# Altium PCB MAX.PcbDoc
Units mil, origin at the board's own origin, x right, y up, seen from the top; angles counter-clockwise.
Board outline 3917.32 x 1003.94 mil, 2 copper layers (Top Layer, Bottom Layer); 9 components, 0 nets, 32 pads, 5 vias.
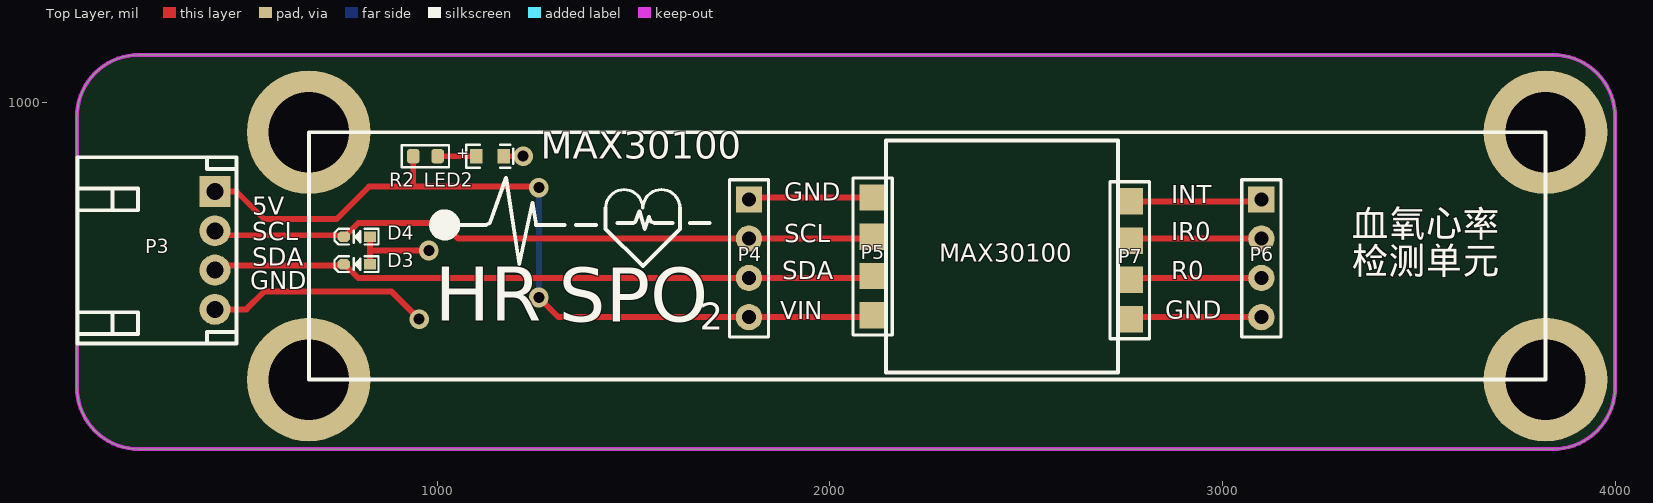
[diagram p0: Top Layer view]
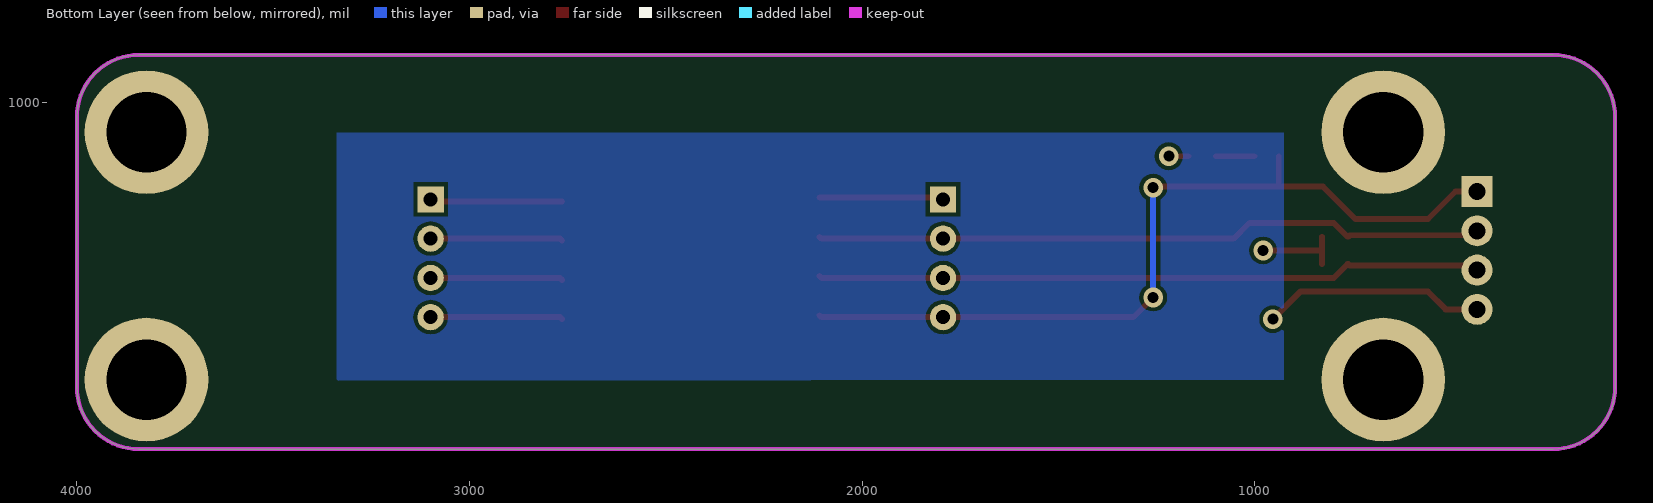
[diagram p1: Bottom Layer view, seen from below]

## Layer stack, top to bottom
Top Solder: solder mask 0.4, Solder Resist, Dk 3.5
Top Layer: signal copper 1.4
Dielectric 1: dielectric 12.6, FR-4, Dk 4.8
Bottom Layer: signal copper 1.4
Bottom Solder: solder mask 0.4, Solder Resist, Dk 3.5

## Board outline
240,117.52 cw(c240,275) 82.52,275 82.52,963.98 cw(c240,963.98) 240,1121.46 3842.36,1121.46 cw(c3842.36,963.98) 3999.84,963.98 3999.84,275 cw(c3842.36,275) 3842.36,117.52 2818.74,117.52

## Design rules (kind name [scope] priority, off if disabled: settings)
Clearance [All] p1: gap=10 ignorepadtopadclearanceinfootprint=FALSE except(0: Arc-Hole Track-Hole SMDPad-Hole THPad-Hole Via-Hole Fill-Hole Poly-Hole Region-Hole Text-Hole)
PolygonConnect [All] p1: connectstyle=Relief reliefconductorwidth=10 reliefentries=4 polygonreliefangle="90 Angle" airgapwidth=10
RoutingVias [All] p1: holewidth=28 width=50 viastyle="Through Hole" minholewidth=28 minwidth=50 maxholewidth=28 maxwidth=50
SolderMaskExpansion [All] p1: expansion=4 istentingtop=FALSE
Width [All] p1: maxlimit=10 minlimit=10 preferedwidth=10
30 further rules are at their usual default settings.

## Components (designator, comment, footprint, x,y, rotation, side; value= is the part's Value field where it differs from the comment)
D3 "TVS" SOD-523 795.54,588.53 r180 top
D4 "TVS" SOD-523 795.54,658.53 r180 top
LED2 "LED3" 0603-led 1099,863.53 r0 top
P3 "IIC1" KF2EDGK-2.54-WI-4P 434,623.53 r270 top
P4 "Header 4" HDR2.54-LI-4P#1 1794,603.53 r270 top
P5 "Header 4" HDR2.54-LI-4P#2 2109,608.53 r90 top
P6 "Header 4" HDR2.54-LI-4P#1 3099,603.53 r270 top
P7 "Header 4" HDR2.54-LI-4P#2 2764,598.53 r90 top
R2 "10K" 0603 1005.06,863.53 r180 top

## Footprints (in the part's own frame and the unit in brackets; to place one, negate y for a bottom-side part, rotate by r counter-clockwise, add the part's x,y. Pads: shape width x height; smd on the part's side, far side on the other; paste and mask are expansions set on the pad)
0603 [mil]
  rrect50% 32x37 smd: 1(3.94,0) 2(66.06,0)
  silkscreen extent -25,-28 95,28, body extent 4,-16 67,16, height 18
0603-led [mil]
  rect 32x37 smd: 1(0,0) 2(70,0)
  silkscreen extent -25,-29 95,29, body extent 2,-18 68,18, height 35
HDR2.54-LI-4P#1 [mm] "排针，4脚"
  rect 1.7x1.7 hole 0.9: 1(-3.81,0)
  round 1.7 hole 0.9: 2(-1.27,0) 3(1.27,0) 4(3.81,0)
  silkscreen extent -5.08,-1.27 5.08,1.27, body extent -5.08,-1.27 5.08,1.27, height 8.5
HDR2.54-LI-4P#2 [mm] "排针，4脚"
  rect 1.7x1.7 smd: 1(-3.81,0) 2(-1.27,0) 3(1.27,0) 4(3.81,0)
  silkscreen extent -5.08,-1.27 5.08,1.27
KF2EDGK-2.54-WI-4P [mm] "长：12.06mm，宽：10.1mm，高：8.1mm"
  rect 2x2 hole 1.1: 1(-3.81,0)
  round 2 hole 1.1: 2(-1.27,0) 3(1.27,0) 4(3.81,0)
  silkscreen extent -6.03,-8.9 6.03,1.39, body extent -6.03,-8.9 6.03,1.2, height 8.15
SOD-523 [mm] "1.2x0.8X0.6mm（长宽高，不包括引脚）"
  rect 0.8x0.7 smd: 1(-0.85,0)
  oct 0.8x0.7 smd: 2(0.85,0)
  silkscreen extent -1.4,-0.51 1.45,0.51, body extent -0.8,-0.4 0.8,0.4, height 0.65

## Part data
D3 D4: library part D, "High Conductance Fast Diode", Code_JEDEC=DO-204-AH, ComponentLink1Description="Manufacturer Link", ComponentLink1URL=http://www.fairchildsemi.com/, ComponentLink2Description=Datasheet, ComponentLink2URL=http://www.fairchildsemi.com/ds/1N%2F1N4148.pdf, DatasheetVersion=1997, LatestRevisionDate=17-Jul-2002, LatestRevisionNote="Re-released for DXP Platform.", PackageDescription="Diode, Axial; Body 3.8 x 1.9 mm (LxDia. max), Lead Dia. 0.53 mm (max)", PackageReference=DO-35, Published=8-Jun-2000, Publisher="Altium Limited"
LED2: library part CP_DIOLED, "DIODE LED"
P3: library part "Header 4", "Header, 4-Pin", LatestRevisionDate=17-Jul-2002, LatestRevisionNote="Re-released for DXP Platform.", Publisher="Altium Limited"
P4 P5 P6 P7: "Header, 4-Pin", LatestRevisionDate=17-Jul-2002, LatestRevisionNote="Re-released for DXP Platform.", Publisher="Altium Limited"
R2: library part RES2

## Free pads (board coordinates)
  round 314.96 hole 204.72: 0(673.07,294.69) 0(673.07,924.61) 0(3822.68,294.69) 0(3822.68,924.61)

## Via types
v1: diameter 50, hole 28, Top Layer to Bottom Layer, tented both sides, 5 vias

## Nets (pads, with @x,y where several pads share a name; then routed paths per layer and width w, separated by ;. In a path a pad name is that pad's centre, name@x,y a point inside that pad or via, vN(x,y) a via of type N, cw(c..) or ccw(c..) an arc to the next point about the centre after c; other vN are vias at no path point)
pads on no net: D3.1 D3.2 D4.1 D4.2 LED2.1 LED2.2 P3.1 P3.2 P3.3 P3.4 P4.1 P4.2 P4.3 P4.4 P5.1 P5.2 P5.3 P5.4 P6.1 P6.2 P6.3 P6.4 P7.1 P7.2 P7.3 P7.4 R2.1 R2.2
copper on no net: | length 8133.5
  Top Layer w15: 434,473.53 514,473.53 559,518.53 884,518.53 v1(954,448.53) ; 434,573.53 445.22,584.74 758.29,584.74 762.07,588.53 764.04,588.53 799.04,553.53 1794,553.53 2104,553.53 2109,558.53 ; 434,673.53 445.22,662.31 758.29,662.31 762.07,658.53 764.04,658.53 799.04,693.53 1014,693.53 1054,653.53 1794,653.53 2104,653.53 2109,658.53 ; 434,773.53 489,773.53 559,703.53 744,703.53 826.5,786.03 939,786.03 1256.5,786.03 v1(1259,783.53) ; 829,588.53 829,623.53 ; 829,658.53 829,623.53 ; 936.5,786.03 939,788.53 939,863.53 ; v1(979,623.53) 829,623.53 ; 1001.13,863.53 1099,863.53 ; 1169,863.53 v1(1219,863.53) ; v1(1259,503.53) 1309,453.53 1794,453.53 2104,453.53 2109,458.53 ; 1794,753.53 1799,758.53 2109,758.53 ; 2764,448.53 2769,453.53 3099,453.53 ; 2764,548.53 2769,553.53 3099,553.53 ; 2764,648.53 2769,653.53 3099,653.53 ; 2764,748.53 3094,748.53 3099,753.53
  Bottom Layer w15: v1(1259,503.53) v1(1259,783.53)

## Polygon pours and split planes (outlines as drawn)
no net on Bottom Layer "NONET_L01_P-001" (solid, pour order 0): 3338.18,291.8 3338.18,923.53 926.21,923.53 926.21,293.61

## Keep-outs
Keep-Out Layer:
  lines w10: 3999.84,963.98 ccw(c3842.36,963.98) 3842.36,1121.46 2818.74,1121.46 240,1121.46 ccw(c240,963.98) 82.52,963.98 82.52,275 ccw(c240,275) 240,117.52 2818.74,117.52 3842.36,117.52 ccw(c3842.36,275) 3999.84,275 3999.84,963.98 ; 3999.84,963.98 3999.84,963.98

## Silkscreen, mask and mechanical layers (free items; w line width, h text height)
Top Overlay:
  circle w39.37: c1019,688.53 r20
  lines w7.87: 1429,731.36 cw(c1476.17,731.36) 1523.34,731.36 ; 1524,731.36 cw(c1571.17,731.36) 1618.34,731.36
  lines w10: 1019,688.53 1124,688.53 1133.88,693.21 1175.13,808.7 1209,588.53 1242.29,743.89 ; 1242.62,744.02 1252.16,688.21 ; 1252.16,688.53 1324,688.53 ; 1354,688.53 1404,688.53 ; 1429,731.36 1429,678.53 1524,583.53 1618.34,677.87 1618.34,731.36 ; 1459,693.53 1499,693.53 1504.52,695.89 1515.4,723.06 1528.68,677.56 1539,708.53 1545,696.53 1554,693.53 1599,693.53 ; 1644,693.53 1694,693.53 ; 673.07,294.69 673.07,924.61 3822.68,924.61 3822.68,294.69 673.07,294.69 ; 2143.45,312.98 2143.45,903.53 2734,903.53 2734,312.98 2143.45,312.98
  text "MAX30100" at 1264.11,834.62 h118.11
  text "GND" at 1884.07,734.26 h78.74
  text "INT" at 2869.07,728.53 h78.74
  text "5V" at 529,699.26 h78.74
  text "血氧心率" at 3329,635.55 h118.11
  text "SCL" at 529,634.26 h78.74
  text "IR0" at 2869.07,634.26 h78.74
  text "SCL" at 1884,629.26 h78.74
  text "MAX30100" at 2279.07,579.26 h78.74
  text "SDA" at 529,569.26 h78.74
  text "检测单元" at 3329,540.88 h118.11
  text "SDA" at 1879,534.26 h78.74
  text "R0" at 2869.07,534.26 h78.74
  text "GND" at 524.07,509.26 h78.74
  text "VIN" at 1874,433.53 h78.74
  text "GND" at 2854.07,434.26 h78.74
  text "HR" at 994.22,398.53 h236.22
  text "2" at 1669.11,398.53 h118.11
  text "SPO" at 1309,395.71 h236.22

## Text inside footprints (layer, text, board x,y; h text height)
LED2: Top Overlay "+" at 1048,847.53 h50